# Altium PCB lxdnei.PcbDoc
Units mil, origin at the board's own origin, x right, y up, seen from the top; angles counter-clockwise.
Board outline 1220.47 x 4527.56 mil, 4 copper layers (Top Layer, Signal Layer UP, Signal Layer DOWN, Bottom Layer), stack 30.634 mil thick; 14 components, 19 nets, 69 pads, 0 vias.
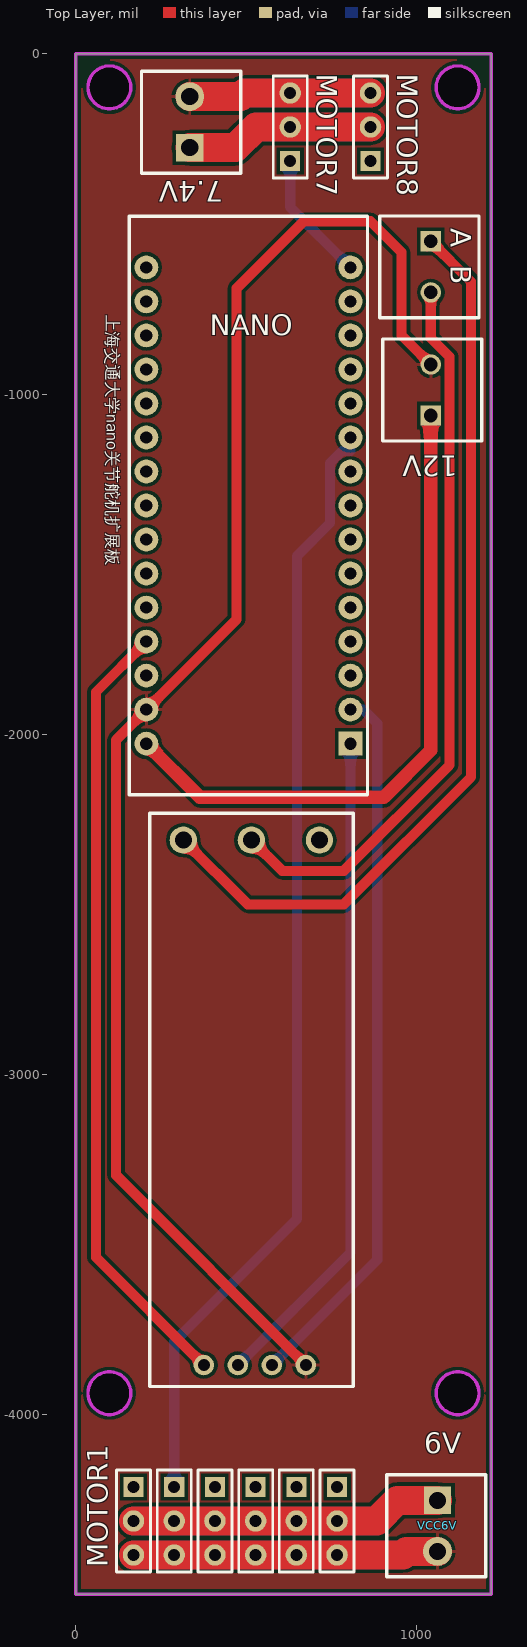
[diagram p0: Top Layer view]
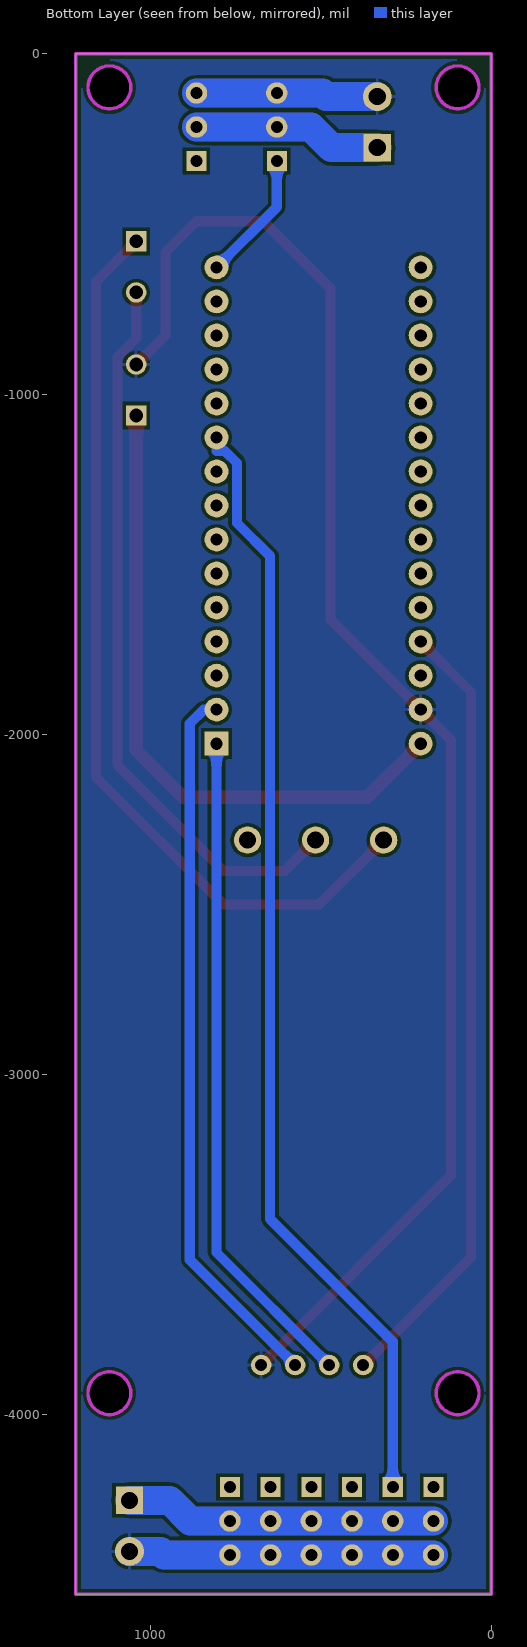
[diagram p1: Bottom Layer view, seen from below]
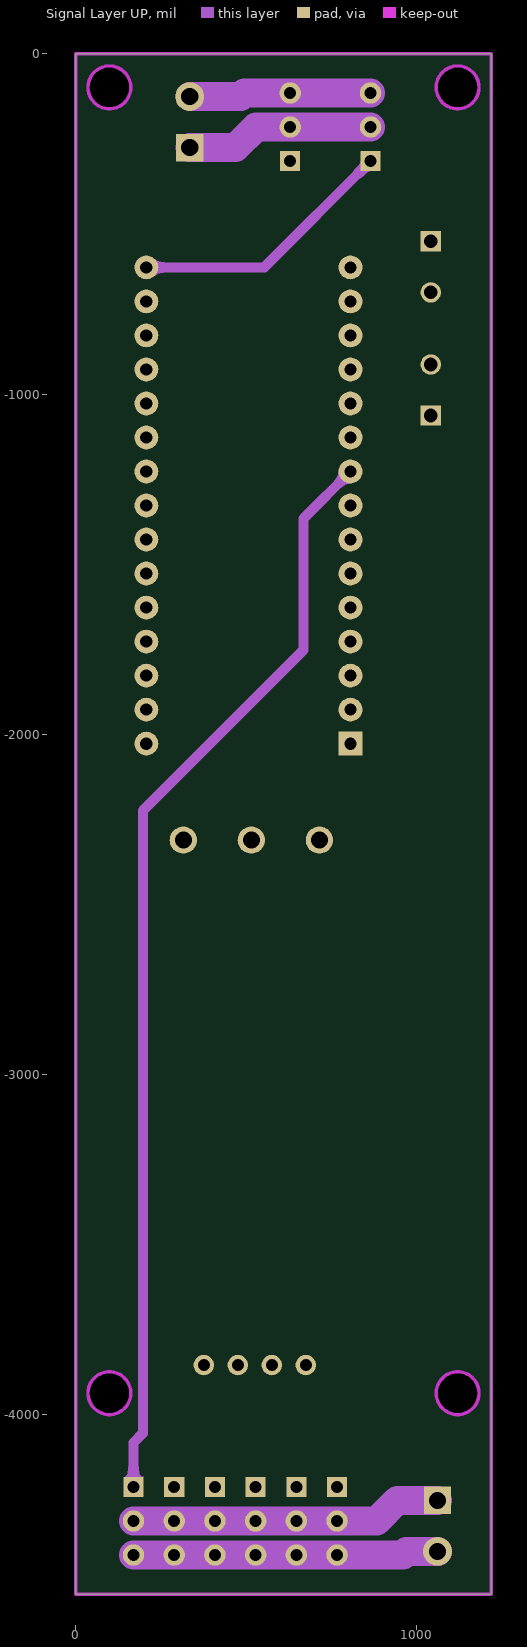
[diagram p2: Signal Layer UP]
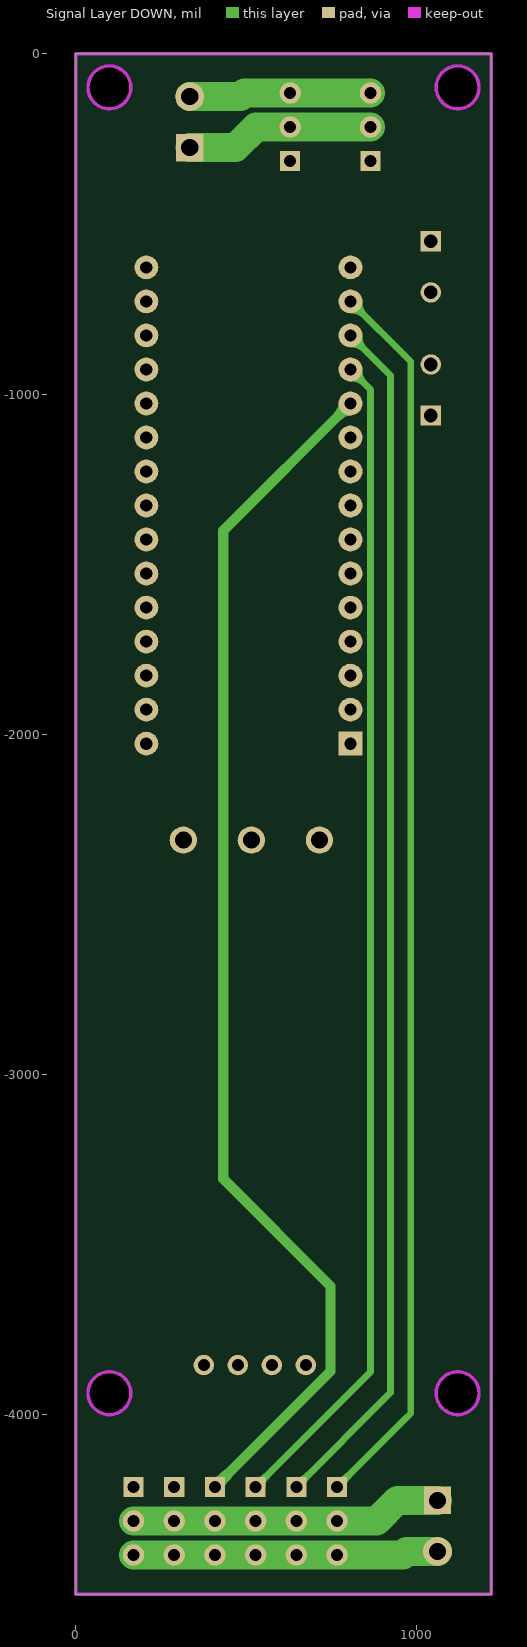
[diagram p3: Signal Layer DOWN]

## Layer stack, top to bottom
Top Solder: solder mask 0.4, Solder Resist, Dk 3.5
Top Layer: signal copper 1.4
Dielectric 1: core 10, FR-4, Dk 4.2
Signal Layer UP: signal copper 1.417
Dielectric 3: prepreg 5, Dk 4.2
Signal Layer DOWN: signal copper 1.417
Dielectric 2: core 10, Dk 4.2
Bottom Layer: signal copper 1.4
Bottom Solder: solder mask 0.4, Solder Resist, Dk 3.5

## Board outline
0,-4527.56 0,0 1220.47,0 1220.47,-4527.56
cut-out: 98.43,-161.42 cw(c98.43,-98.43) 35.43,-98.43 cw(c98.43,-98.43) 98.43,-35.43 cw(c98.43,-98.43) 161.42,-98.43 cw(c98.43,-98.43)
cut-out: 98.43,-4000 cw(c98.43,-3937.01) 35.43,-3937.01 cw(c98.43,-3937.01) 98.43,-3874.02 cw(c98.43,-3937.01) 161.42,-3937.01 cw(c98.43,-3937.01)
cut-out: 1122.05,-4000 cw(c1122.05,-3937.01) 1059.06,-3937.01 cw(c1122.05,-3937.01) 1122.05,-3874.02 cw(c1122.05,-3937.01) 1185.04,-3937.01 cw(c1122.05,-3937.01)
cut-out: 1122.05,-161.42 cw(c1122.05,-98.43) 1059.06,-98.43 cw(c1122.05,-98.43) 1122.05,-35.43 cw(c1122.05,-98.43) 1185.04,-98.43 cw(c1122.05,-98.43)

## Design rules (kind name [scope] priority, off if disabled: settings)
Clearance [All] p1: gap=10
PolygonConnect [All] p1: connectstyle=Relief reliefconductorwidth=10 reliefentries=4 polygonreliefangle="90 Angle" airgapwidth=10
RoutingVias [All] p1: holewidth=28 width=50 viastyle="Through Hole" minholewidth=28 minwidth=50 maxholewidth=28 maxwidth=50
SilkToBoardRegionClearance [All] p1 off:
SilkToSilkClearance [All] p1 off: silktosilkclearance=10
SilkToSolderMaskClearance [IsPad] p1 off: minsilkscreentomaskgap=10 clearancetoexposedcopper=TRUE
SolderMaskExpansion [All] p1: expansion=4
Width [All] p1: maxlimit=100 minlimit=20 preferedwidth=20
27 further rules are at their usual default settings.

## Classes and differential pairs
component class Sheet1: MOTOR1

## Components (designator, comment, footprint, x,y, rotation, side; value= is the part's Value field where it differs from the comment)
7.4V "VCC" "HEADER 1X2a"#1 334.65,-275.59 r90 top (schematic designator VCC6V)
12V "VCC" "HEADER 1X2a"#2 1043.31,-1062.99 r90 top (schematic designator VCC12V)
MOTOR1 "" HDR1X3 169.29,-4212.6 r270 top
MOTOR2 "" HDR1X3 288.98,-4212.6 r270 top
MOTOR3 "" HDR1X3 408.66,-4212.6 r270 top
MOTOR4 "" HDR1X3 528.35,-4212.6 r270 top
MOTOR5 "" HDR1X3 648.03,-4212.6 r270 top
MOTOR6 "" HDR1X3 767.72,-4212.6 r270 top
MOTOR7 "" HDR1X3 629.92,-314.96 r90 top (schematic designator MOTOR6)
MOTOR8 "" HDR1X3 866.14,-314.96 r90 top (schematic designator MOTOR6)
U1 "Nano" NANO 807.09,-2027.56 r180 top
U2 "TTL-485" ttl-485 216.54,-3917.32 r90 top
VCC6V "VCC" "HEADER 1X2a"#1 1062.99,-4251.97 r270 top
VCC12V "VCC" "HEADER 1X2a"#2 1043.31,-551.18 r270 top

## Footprints (in the part's own frame and the unit in brackets; to place one, negate y for a bottom-side part, rotate by r counter-clockwise, add the part's x,y. Pads: shape width x height; smd on the part's side, far side on the other; paste and mask are expansions set on the pad)
HDR1X3 [mm] "Connector; Header; 3 Position"
  rect 1.5x1.5 hole 0.9: 1(0,0)
  round 1.6 hole 0.9: 2(2.54,0) 3(5.08,0)
  silkscreen extent -1.27,-1.27 6.35,1.27
"HEADER 1X2a"#1 [mil]
  rect 80x80 hole 50: 1(0,0)
  round 85 hole 50: 2(150,0)
  silkscreen extent -75,-150 225,142
"HEADER 1X2a"#2 [mil]
  rect 60x60 hole 40: 1(0,0)
  round 60 hole 40: 2(150,0)
  silkscreen extent -75,-150 225,142
NANO [mil]
  rect 70x70 hole 36: 1(0,0)
  round 70 hole 36: 2(0,-100) 3(0,-200) 4(0,-300) 5(0,-400) 6(0,-500) 7(0,-600) 8(0,-700) 9(0,-800) 10(0,-900) 11(0,-1000) 12(0,-1100) 13(0,-1200) 14(0,-1300) 15(0,-1400) 16(600,-1400) 17(600,-1300) 18(600,-1200) 19(600,-1100) 20(600,-1000) 21(600,-900) 22(600,-800) 23(600,-700) 24(600,-600) 25(600,-500) 26(600,-400) 27(600,-300) 28(600,-200) 29(600,-100)
  round 70 hole 36 mask+4: 30(600,0)
  silkscreen extent -50,-1550 650,150
ttl-485 [mil]
  round 80 hole 50: 1(1606.3,-99.21) 2(1606.3,-299.21) 3(1606.3,-499.21)
  round 60 hole 35: 4(62.99,-159.45) 5(62.99,-259.45) 6(62.99,-359.45) 7(62.99,-459.45)
  silkscreen extent 0,-599 1685,0

## Part data
7.4V 12V VCC6V VCC12V: library part "Header 2", "Header, 2-Pin"
MOTOR1 MOTOR2 MOTOR3 MOTOR4 MOTOR5 MOTOR6 MOTOR7 MOTOR8: library part "Header 3", "Header, 3-Pin"

## Nets (pads, with @x,y where several pads share a name; then routed paths per layer and width w, separated by ;. In a path a pad name is that pad's centre, name@x,y a point inside that pad or via, vN(x,y) a via of type N, cw(c..) or ccw(c..) an arc to the next point about the centre after c; other vN are vias at no path point)
5V: U1.27 U2.4 | length 2319.4
  Top Layer w30: U1.27 59.06,-1875.59 59.06,-3537.4 U2.4
BM1: MOTOR7.1 U1.15 | length 386
  Bottom Layer w30: MOTOR7.1 629.92,-450.4 U1.15
BM2: MOTOR8.1 U1.16 | length 788.5
  Signal Layer UP w30: U1.16 553.54,-627.56 MOTOR8.1
GND: 7.4V.2 12V.2 MOTOR1.3 MOTOR2.3 MOTOR3.3 MOTOR4.3 MOTOR5.3 MOTOR6.3 MOTOR7.3 MOTOR8.3 U1.29 U2.7 VCC6V.2 | length 10233.7
  Top Layer w30: U2.7 118.11,-3296.46 118.11,-2016.54 U1.29 472.44,-1662.2 472.44,-688.98 669.29,-492.13 866.14,-492.13 957.09,-583.07 957.09,-826.77 12V.2
  Top Layer w85: MOTOR1.3 MOTOR2.3 MOTOR3.3 MOTOR4.3 MOTOR5.3 MOTOR6.3 961.42,-4412.6 972.05,-4401.97 VCC6V.2 ; 7.4V.2 484.65,-125.59 495.28,-114.96 MOTOR7.3 MOTOR8.3
  Signal Layer UP w85: MOTOR1.3 MOTOR2.3 MOTOR3.3 MOTOR4.3 MOTOR5.3 MOTOR6.3 961.42,-4412.6 ; 7.4V.2 484.65,-125.59 495.27,-114.96 MOTOR7.3 MOTOR8.3 ; 972.05,-4401.97 VCC6V.2
  Signal Layer DOWN w85: MOTOR1.3 MOTOR2.3 MOTOR3.3 MOTOR4.3 MOTOR5.3 MOTOR6.3 961.42,-4412.6 972.05,-4401.97 VCC6V.2 ; 7.4V.2 484.65,-125.59 495.27,-114.96 MOTOR7.3 MOTOR8.3
  Bottom Layer w85: MOTOR1.3 MOTOR2.3 MOTOR3.3 MOTOR4.3 MOTOR5.3 MOTOR6.3 961.42,-4412.6 972.05,-4401.97 VCC6V.2 ; 7.4V.2 484.65,-125.59 495.28,-114.96 MOTOR7.3 MOTOR8.3
M6: MOTOR1.1 U1.9 | length 3249.2
  Signal Layer UP w30: MOTOR1.1 169.29,-4082.68 196.85,-4055.12 196.85,-2224.41 669.29,-1751.97 669.29,-1365.35 U1.9
M7: MOTOR2.1 U1.10 | length 3314.2
  Bottom Layer w30: MOTOR2.1 288.98,-3785.83 649.61,-3425.2 649.61,-1476.38 747.09,-1378.9 747.09,-1202.71 782.23,-1167.56 807.09,-1167.56 U1.10
M8: MOTOR3.1 U1.11 | length 3611
  Signal Layer DOWN w30: MOTOR3.1 748.03,-3873.23 748.03,-3622.05 433.07,-3307.09 433.07,-1401.57 U1.11
M9: MOTOR4.1 U1.12 | length 3449.4
  Signal Layer DOWN w20: MOTOR4.1 866.14,-3874.8 866.14,-986.62 U1.12
M10: MOTOR5.1 U1.13 | length 3548.8
  Signal Layer DOWN w20: MOTOR5.1 925.2,-3935.43 925.2,-945.67 U1.13
M11: MOTOR6.1 U1.14 | length 3648.1
  Signal Layer DOWN w20: MOTOR6.1 964.57,-4015.75 984.25,-3996.06 984.25,-904.73 U1.14
NetJUMP1_1: 
NetJUMP2_2: 12V.1 U1.30 | length 1942.8
  Top Layer w40: U1.30 364.57,-2185.04 905.51,-2185.04 1043.31,-2047.25 12V.1
NetP1_1: U2.1 VCC12V.1 | length 2702.6
  Top Layer w30: U2.1 504.72,-2500 787.4,-2500 1161.42,-2125.98 1161.42,-669.29 VCC12V.1
NetP1_2: U2.2 VCC12V.2 | length 2161.1
  Top Layer w30: U2.2 606.3,-2401.58 787.4,-2401.58 1098.31,-2090.67 1098.31,-890.21 1043.31,-835.21 VCC12V.2
NetP1_3: U2.3
RX: U1.2 U2.6 | length 2109.9
  Bottom Layer w30: U2.6 885.83,-3544.49 885.83,-1968.5 844.88,-1927.56 U1.2
TX: U1.1 U2.5 | length 1963.9
  Bottom Layer w30: U2.5 807.09,-3523.23 U1.1
VIN: MOTOR1.2 MOTOR2.2 MOTOR3.2 MOTOR4.2 MOTOR5.2 MOTOR6.2 VCC6V.1 | length 3675.3
  Top Layer w85: MOTOR1.2 MOTOR2.2 MOTOR3.2 MOTOR4.2 MOTOR5.2 MOTOR6.2 884.26,-4312.6 944.88,-4251.97 VCC6V.1
  Signal Layer UP w85: MOTOR1.2 MOTOR2.2 MOTOR3.2 MOTOR4.2 MOTOR5.2 MOTOR6.2 884.25,-4312.6 944.88,-4251.97 VCC6V.1
  Signal Layer DOWN w85: MOTOR1.2 MOTOR2.2 MOTOR3.2 MOTOR4.2 MOTOR5.2 MOTOR6.2 884.25,-4312.6 944.88,-4251.97 VCC6V.1
  Bottom Layer w85: MOTOR1.2 MOTOR2.2 MOTOR3.2 MOTOR4.2 MOTOR5.2 MOTOR6.2 884.26,-4312.6 944.88,-4251.97 VCC6V.1
VIN7: 7.4V.1 MOTOR7.2 MOTOR8.2 | length 2226.4
  Top Layer w85: 7.4V.1 469,-275.59 529.63,-214.96 MOTOR7.2 MOTOR8.2
  Signal Layer UP w85: 7.4V.1 469,-275.59 529.63,-214.96 MOTOR7.2 MOTOR8.2
  Signal Layer DOWN w85: 7.4V.1 469,-275.59 529.63,-214.96 MOTOR7.2 MOTOR8.2
  Bottom Layer w85: 7.4V.1 469,-275.59 529.63,-214.96 MOTOR7.2 MOTOR8.2
pads on no net: U1.3 U1.4 U1.5 U1.6 U1.7 U1.8 U1.17 U1.18 U1.19 U1.20 U1.21 U1.22 U1.23 U1.24 U1.25 U1.26 U1.28

## Polygon pours and split planes (outlines as drawn)
GND on Top Layer "Top Layer" (solid, pour order 20): 0,0 1220.47,0 1220.47,-4527.56 0,-4527.56
GND on Bottom Layer "Top Layer" (solid, pour order 22): 1220.47,-4527.56 0,-4527.56 0,0 1220.47,0

## Keep-outs
Keep-Out Layer:
  circle w10: c98.43,-98.43 r62.99
  circle w10: c98.43,-3937.01 r62.99
  circle w10: c1122.05,-3937.01 r62.99
  circle w10: c1122.05,-98.43 r62.99
  lines w10: 0,-4527.56 0,0 1220.47,0 1220.47,-4527.56 0,-4527.56

## Silkscreen, mask and mechanical layers (free items; w line width, h text height)
Top Overlay:
  text "A  B" at 1102.36,-511.81 h60 r270
  text "上海交通大学nano关节舵机扩展板" at 78.74,-767.72 h60 r270
  text "NANO" at 393.7,-826.77 h60
  text "6V" at 1023.62,-4114.17 h60
Bottom Overlay:
Bottom Solder:
  lines w60: 334.65,-275.59 469,-275.59 529.63,-214.96 629.92,-214.96 866.14,-214.96 ; 484.65,-125.59 334.65,-125.59 484.65,-125.59 ; 484.65,-125.59 495.28,-114.96 ; 484.65,-125.59 495.28,-114.96 ; 495.28,-114.96 629.92,-114.96 ; 495.28,-114.96 629.92,-114.96 ; 629.92,-114.96 866.14,-114.96 629.92,-114.96